# KiCad board A64-OlinuXino_Rev_G1.kicad_pcb (continued)
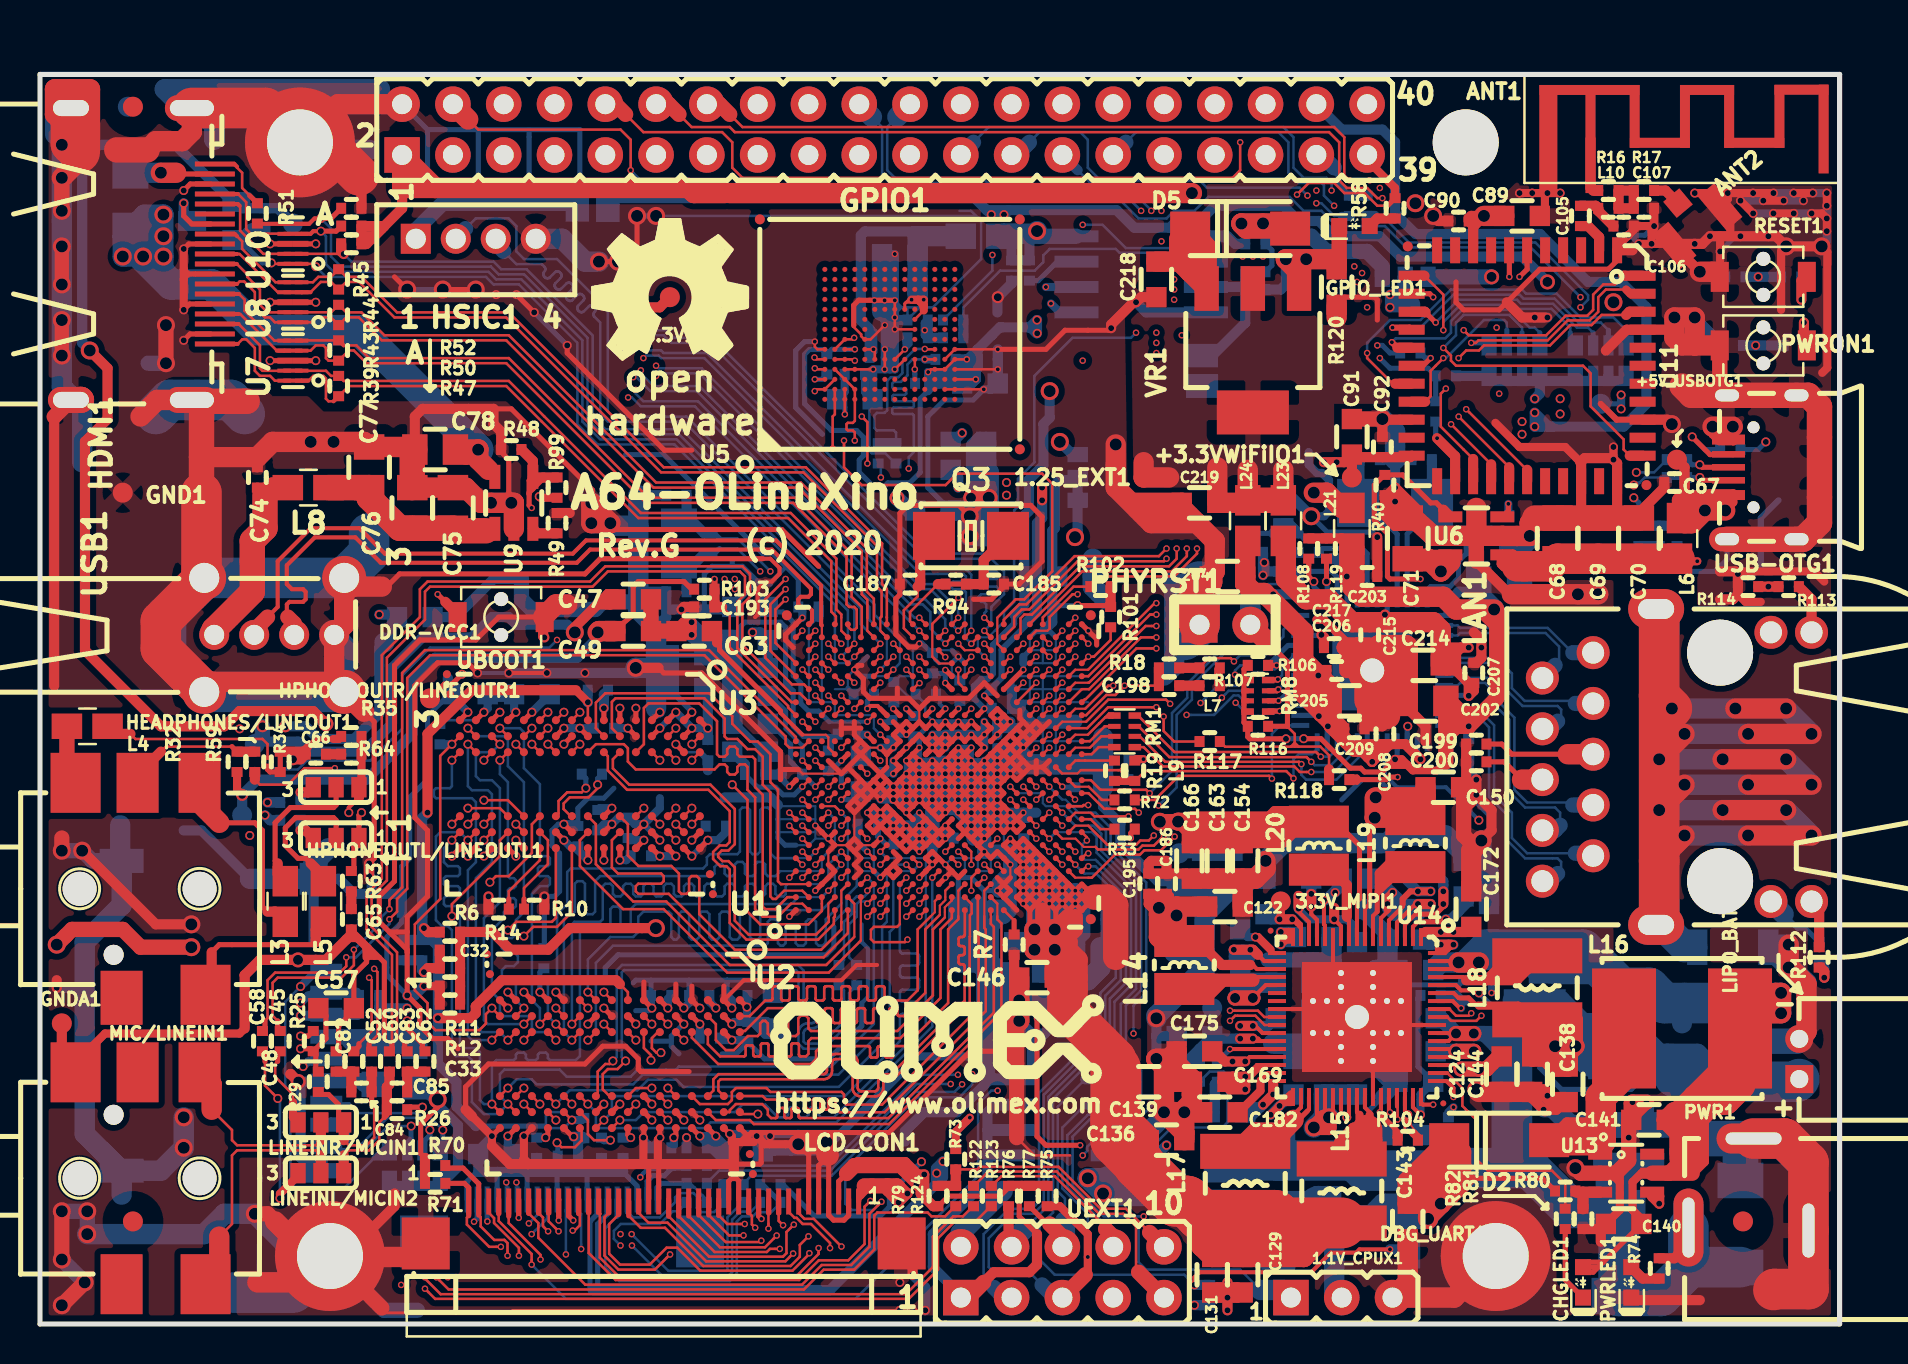
[diagram p0: board, top side]
## Placement (name value [footprint] x y rotation side) (continued)
R71  2.2k  [R_0402_5MIL_DWS]  19.76 7.04 180 top
R72  22R  [R_0402_5MIL_DWS]  54.24 26.21 0 top
R73  NA(22R)  [R_0402_5MIL_DWS]  45.8 8.24 270 top
R74  2.2k  [R_0402_5MIL_DWS]  80.97 2.78 270 top
R75  2.2k  [R_0402_5MIL_DWS]  50.37 6.4 270 top
R76  10k  [R_0402_5MIL_DWS]  48.44 6.4 270 top
R77  2.2k  [R_0402_5MIL_DWS]  49.48 6.4 270 top
R78  0.01R\1%/1206  [R_1206_5MIL_DWS]  79.58 13.13 0 bottom
R79  10k  [R_0402_5MIL_DWS]  44.91 6.4 90 top
R80  8.25k\1%  [R_0402_5MIL_DWS]  76.28 6.66 0 top
R81  1.1k\1%  [R_0402_5MIL_DWS]  77.16 5.26 270 top
R82  2.2k  [R_0402_5MIL_DWS]  76.28 5.26 270 top
R83  10k  [R_0402_5MIL_DWS]  58.88 12.62 270 bottom
R84  NA  [R_0402_5MIL_DWS]  71.2 16.69 270 bottom
R85  10k  [R_0402_5MIL_DWS]  70.43 9.83 270 bottom
R86  0R(Board_Mounted)  [R_0402_5MIL_0R(Board_Mounted)]  81.86 43.23 0 bottom
R87  0R(Board_Mounted)  [R_0402_5MIL_0R(Board_Mounted)]  81.86 42.34 0 bottom
R88  2.2k  [R_0402_5MIL_DWS]  57.99 12.62 90 bottom
R89  1k  [R_0402_5MIL_DWS]  87.58 52.38 180 bottom
R90  2.2k  [R_0402_5MIL_DWS]  57.1 12.62 90 bottom
R91  1k  [R_0402_5MIL_DWS]  87.71 48.95 180 bottom
R92  1k  [R_0402_5MIL_DWS]  69.54 16.43 180 bottom
R93  10M  [R_0402_5MIL_DWS]  33.6 39.04 270 bottom
R94  0R(Board_Mounted)  [R_0402_5MIL_0R(Board_Mounted)]  45.8 37.01 0 top
R95  10k  [R_0402_5MIL_DWS]  58.5 1.45 270 bottom
R96  NA  [R_0402_5MIL_DWS]  38.43 35.86 180 bottom
R97  NA  [R_0402_5MIL_DWS]  51.76 27.36 90 bottom
R98  NA  [R_0402_5MIL_DWS]  53.92 27.23 180 bottom
R99  10k  [R_0402_5MIL_DWS]  25.86 41.83 90 top
R101  NA(2.2k)  [R_0402_5MIL_DWS]  53.54 35.36 90 top
R102  NA(2.2k)  [R_0402_5MIL_DWS]  53.03 36.88 0 top
R103  100k  [R_0402_5MIL_DWS]  33.22 36.75 0 top
R104  NA(10k)  [R_0402_5MIL_DWS]  68.4 9.19 180 top
R105  22R  [R_0402_5MIL_DWS]  60.91 32.94 0 bottom
R106  10k  [R_0402_5MIL_DWS]  60.91 32.94 0 top
R107  1k  [R_0402_5MIL_DWS]  58.5 32.82 0 top
R108  1k  [R_0402_5MIL_DWS]  63.45 38.79 90 top
R109  22R  [R_0402_5MIL_DWS]  63.45 38.6 0 bottom
R110  1k  [R_0402_5MIL_DWS]  65.23 38.28 0 bottom
R111  1k  [R_0402_5MIL_DWS]  88.98 18.59 270 bottom
R112  1k  [R_0402_5MIL_DWS]  88.98 18.34 270 top
R113  1k  [R_0402_5MIL_DWS]  87.45 36.88 180 top
R114  1k  [R_0402_5MIL_DWS]  85.42 36.88 0 top
R115  12.1k\1%  [R_0603_5MIL_DWS]  72.59 38.91 0 bottom
R116  100k  [R_0402_5MIL_DWS]  60.91 29.9 180 top
R117  1k  [R_0402_5MIL_DWS]  58.5 29.13 180 top
R118  NA  [R_0402_5MIL_DWS]  64.97 27.23 0 top
R119  10k  [R_0402_5MIL_DWS]  64.34 38.79 90 top
R120  120R  [R_0603_5MIL_DWS]  64.85 51.87 90 top
R121  22R  [R_0402_5MIL_DWS]  45.67 50.22 0 bottom
R122  22R  [R_0402_5MIL_DWS]  46.69 6.4 270 top
R123  22R  [R_0402_5MIL_DWS]  47.57 6.4 90 top
R124  22R  [R_0402_5MIL_DWS]  45.8 6.4 90 top
R125  22R  [R_0402_5MIL_DWS]  34.68 6.08 0 bottom
R126  22R  [R_0402_5MIL_DWS]  31.06 7.92 180 bottom
R127  NA  [R_0402_5MIL_DWS]  34.68 6.97 0 bottom
R128  NA  [R_0402_5MIL_DWS]  32.84 7.92 0 bottom
R129  22R  [R_0402_5MIL_DWS]  36.53 6.08 0 bottom
R130  22R  [R_0402_5MIL_DWS]  32.84 6.08 0 bottom
R131  NA  [R_0402_5MIL_DWS]  36.53 6.97 180 bottom
R132  NA  [R_0402_5MIL_DWS]  32.84 7.04 180 bottom
RESET1  IT-1185AU2-160G-G-TR  [IT1185AU2_V2]  86.18 52.38 180 top
RM1  RA0805_(4X0402)_22R  [RA0805_(4X0402)_xx_BIGGEROUTPADS]  54.24 29.64 90 top
RM7  RA1206_(4x0603)_4B8_100k  [RA1206_(4X0603)_4B8_xx]  18.75 7.92 180 bottom
RM8  RA0805_(4X0402)_4.7k  [RA0805_(4X0402)_xx_BIGGEROUTPADS]  60.91 31.42 270 top
RM9  NA(RA1206_(4x0603)_4B8_100k)  [RA1206_(4X0603)_4B8_xx]  78.05 48.18 180 bottom
RM12  NA(RA1206_(4x0603)_4B8_100k)  [RA1206_(4X0603)_4B8_xx]  73.74 48.18 180 bottom
RM15  RA0805_(4X0402)_22R  [RA0805_(4X0402)_xx_BIGGEROUTPADS]  60.91 31.42 270 bottom
Sign-Antistatic  -  [LOGO_ANTISTATIC_1]  58.37 30.53 180 bottom
Sign-PbFree  -  [LOGO_PBFREE]  3.89 34.47 0 bottom
Sign-RecycleBin  -  [LOGO_RECYCLEBIN_1]  6.75 38.66 180 bottom
Sign-RoHS  -  [LOGO_ROHS_1]  24.75 39.75 180 bottom
T1  WPM1481-6\TR(DFN2X2-6L)  [DFN2x2-6L]  74.75 16.56 90 bottom
U1  AllWinner-A64(FBGA396)  [FBGA396]  44.95 27.85 0 top
U2  K4B4G1646Q-HYK0(FBGA-96_256Mx16_DDR3-1600_11-11-11)  [FBGA96(HYNIX_SAMSUNG_512MX16_DDR3)]  29 13 180 top
U3  K4B4G1646Q-HYK0(FBGA-96_256Mx16_DDR3-1600_11-11-11)  [FBGA96(HYNIX_SAMSUNG_512MX16_DDR3)]  27 27 180 top
U4  AT24C16C-SSHM-T(SOIC-8_150mil)  [SOIC-8_150mil]  51.15 10.34 90 bottom
U5  NA(KLMAG2GEND-B031(FBGA153))  [FBGA153_Pitch-0.5mm_Ball-0.25mm_Dimensions-11.50x13.00x0.80mm]  42.5 49.5 0 top
U6  SY6280AAC(SOT23-5)  [SOT-23-5]  71.83 39.42 0 top
U7  NA(RCLAMP0524P(SLP2510P8))  [SLP2510P8_TEST]  12.65 48.18 90 top
U8  NA(RCLAMP0524P(SLP2510P8))  [SLP2510P8_TEST]  12.65 51.1 90 top
U9  SY6280AAC(SOT23-5)  [SOT-23-5]  23.7 41.07 270 top
U10  NA(RCLAMP0524P(SLP2510P8))  [SLP2510P8_TEST]  12.65 54.03 90 top
U11  NA(RTL8723BS(ComboModule))  [RL-SM02BD(RTL8723BS)]  74.37 47.93 270 top
U12  NA(W25Q128FVSIG)  [SO-8_208mil]  55.07 52.5 270 bottom
U13  MT3608(SOT23-6)  [SOT23-6]  79.32 7.54 180 top
U14  AXP803(QFN68_8x8mm)  [QFN68]  65.86 15.35 180 top
U15  KSZ9031RNXCC(QFN48_1DRILL(PADPITCH-0.5MM))  [QFN48_1DRILL(PADPITCH-0.5MM)]  66.62 32.69 270 bottom
UBOOT1  IT-1185AU2-160G-G-TR  [IT1185AU2_V2]  23.06 35.36 0 top
UEXT1  -  [HN2x5]  51.13 2.59 0 top
USB1  USB_A_VERTICAL  [USB_A_VERTICAL_PTH]  8.71 34.47 270 top
USB-OTG1  MICRO_USB\MISB-SWMM-5B_LF  [USB-MICRO_MISB-SWMM-5B_LF]  87.59 42.85 0 top
VCC-PC1  TESTPAD  [TP_SMD]  68.53 50.98 0 bottom
VCC-PL1  TESTPAD  [TP_SMD]  58.62 15.8 0 bottom
VR1  AMS1117(ADJ)  [SOT223]  60.66 48.69 90 top
WP_Enable1  Opened  [SJ]  58.12 47.68 90 bottom

## Footprints (pads in the part's own frame, mm; a bottom-side part is the same pattern mirrored in y, then rotated)
B4B-PH-K-S
  rect 1.5x1.5 hole 1: 1(3,0)
  round 1.5 hole 1: 2(1,0) 3(-1,0) 4(-3,0)
BT_Antenna_Inverted_1ANT_2GND
  rect 5x0.5 smd: 0(2.489,4.648)
  rect 0.5x3.14 smd: 0(4.75,3.327) 0(7.264,3.327) 0(9.474,3.327) 0(11.989,3.327)
  rect 3x0.5 smd: 0(6.007,2.007) 0(10.732,2.007)
  rect 2.7x0.5 smd: 0(8.369,4.648) 0(13.094,4.661)
  rect 0.5x4.44 smd: 0(14.199,2.692)
  rect 0.5x5.4 smd: 1(2.54,2.192)
  rect 0.9x5.4 smd: 2(0.432,2.192)
C_0402_5MIL_DWS
  rect 0.5x0.55 smd: 1(-0.508,0) 2(0.508,0)
C_0603_5MIL_DWS
  rect 1.016x1.016 smd: 1(-0.889,0) 2(0.889,0)
C_0805_5MIL_DWS
  rect 1.27x1.524 smd: 1(-1.016,0) 2(1.016,0)
C_1206_5MIL_DWS_ISO
  rect 1.016x1.778 smd: 1(-1.778,0) 2(1.778,0)
CD32
  rect 1.6x3 smd: 1(-1.2,0) 2(1.2,0)
CD42(43)
  rect 1.75x4.5 smd: 1(-1.6,0) 2(1.6,0)
CM7V-T1A(Crystal_Package-1206_3.20x1.50x0.65mm)
  rect 1x1.8 smd: 1(-1.25,0) 2(1.25,0)
DFN2x2-6L
  rect 0.35x0.9 smd: 1(-0.65,-1.1) 2(0,-1.1) 3(0.65,-1.1) 4(0.65,1.1) 5(0,1.1) 6(-0.65,1.1)
  rect 0.95x0.8 smd: 7(-0.35,0)
  rect 0.35x0.6 smd: 8(0.65,0)
DO214AA_1(K)-2(A)
  rect 1.778x2.286 smd: 1(-2.177,0) 2(2.177,0)
FBGA96(HYNIX_SAMSUNG_512MX16_DDR3)
  rect 0.42x0.42 smd: (-6,3.2) (-6,2.4) (-6,1.6) (-6,-1.6) (-6,-2.4) (-6,-3.2) (-5.2,3.2) (-5.2,2.4) (-5.2,1.6) (-5.2,-1.6) (-5.2,-2.4) (-5.2,-3.2) (-4.4,3.2) (-4.4,2.4) (-4.4,1.6) (-4.4,-1.6) (-4.4,-2.4) (-4.4,-3.2) (-3.6,3.2) (-3.6,2.4) (-3.6,1.6) (-3.6,-1.6) (-3.6,-2.4) (-3.6,-3.2) (-2.8,3.2) (-2.8,2.4) (-2.8,1.6) (-2.8,-1.6) (-2.8,-2.4) (-2.8,-3.2) (-2,3.2) (-2,2.4) (-2,1.6) (-2,-1.6) (-2,-2.4) (-2,-3.2) (-1.2,3.2) (-1.2,2.4) (-1.2,1.6) (-1.2,-1.6) (-1.2,-2.4) (-1.2,-3.2) (-0.4,3.2) (-0.4,2.4) (-0.4,1.6) (-0.4,-1.6) (-0.4,-2.4) (-0.4,-3.2) (0.4,3.2) (0.4,2.4) (0.4,1.6) (0.4,-1.6) (0.4,-2.4) (0.4,-3.2) (1.2,3.2) (1.2,2.4) (1.2,1.6) (1.2,-1.6) (1.2,-2.4) (1.2,-3.2) (2,3.2) (2,2.4) (2,1.6) (2,-1.6) (2,-2.4) (2,-3.2) (2.8,3.2) (2.8,2.4) (2.8,1.6) (2.8,-1.6) (2.8,-2.4) (2.8,-3.2) (3.6,3.2) (3.6,2.4) (3.6,1.6) (3.6,-1.6) (3.6,-2.4) (3.6,-3.2) (4.4,3.2) (4.4,2.4) (4.4,1.6) (4.4,-1.6) (4.4,-2.4) (4.4,-3.2) (5.2,3.2) (5.2,2.4) (5.2,1.6) (5.2,-1.6) (5.2,-2.4) (5.2,-3.2) (6,3.2) (6,2.4) (6,1.6) (6,-1.6) (6,-2.4) (6,-3.2)
  round 0.4 smd: A1(-6,-3.2) A2(-6,-2.4) A3(-6,-1.6) A7(-6,1.6) A8(-6,2.4) A9(-6,3.2) B1(-5.2,-3.2) B2(-5.2,-2.4) B3(-5.2,-1.6) B7(-5.2,1.6) B8(-5.2,2.4) B9(-5.2,3.2) C1(-4.4,-3.2) C2(-4.4,-2.4) C3(-4.4,-1.6) C7(-4.4,1.6) C8(-4.4,2.4) C9(-4.4,3.2) D1(-3.6,-3.2) D2(-3.6,-2.4) D3(-3.6,-1.6) D7(-3.6,1.6) D8(-3.6,2.4) D9(-3.6,3.2) E1(-2.8,-3.2) E2(-2.8,-2.4) E3(-2.8,-1.6) E7(-2.8,1.6) E8(-2.8,2.4) E9(-2.8,3.2) F1(-2,-3.2) F2(-2,-2.4) F3(-2,-1.6) F7(-2,1.6) F8(-2,2.4) F9(-2,3.2) FID1(6.5,-4.5) FID2(-6.5,4.5) FID3(6.65,-5.5) FID4(-6.65,5.5) G1(-1.2,-3.2) G2(-1.2,-2.4) G3(-1.2,-1.6) G7(-1.2,1.6) G8(-1.2,2.4) G9(-1.2,3.2) H1(-0.4,-3.2) H2(-0.4,-2.4) H3(-0.4,-1.6) H7(-0.4,1.6) H8(-0.4,2.4) H9(-0.4,3.2) J1(0.4,-3.2) J2(0.4,-2.4) J3(0.4,-1.6) J7(0.4,1.6) J8(0.4,2.4) J9(0.4,3.2) K1(1.2,-3.2) K2(1.2,-2.4) K3(1.2,-1.6) K7(1.2,1.6) K8(1.2,2.4) K9(1.2,3.2) L1(2,-3.2) L2(2,-2.4) L3(2,-1.6) L7(2,1.6) L8(2,2.4) L9(2,3.2) M1(2.8,-3.2) M2(2.8,-2.4) M3(2.8,-1.6) M7(2.8,1.6) M8(2.8,2.4) M9(2.8,3.2) N1(3.6,-3.2) N2(3.6,-2.4) N3(3.6,-1.6) N7(3.6,1.6) N8(3.6,2.4) N9(3.6,3.2) P1(4.4,-3.2) P2(4.4,-2.4) P3(4.4,-1.6) P7(4.4,1.6) P8(4.4,2.4) P9(4.4,3.2) R1(5.2,-3.2) R2(5.2,-2.4) R3(5.2,-1.6) R7(5.2,1.6) R8(5.2,2.4) R9(5.2,3.2) T1(6,-3.2) T2(6,-2.4) T3(6,-1.6) T7(6,1.6) T8(6,2.4) T9(6,3.2)
FBGA153_Pitch-0.5mm_Ball-0.25mm_Dimensions-11.50x13.00x0.80mm
  rect 0.3x0.3 smd: (-3.25,3.25) (-3.25,2.75) (-3.25,2.25) (-3.25,1.75) (-3.25,1.25) (-3.25,0.75) (-3.25,0.25) (-3.25,-0.25) (-3.25,-0.75) (-3.25,-1.25) (-3.25,-1.75) (-3.25,-2.25) (-3.25,-2.75) (-3.25,-3.25) (-2.75,3.25) (-2.75,2.75) (-2.75,2.25) (-2.75,1.75) (-2.75,1.25) (-2.75,0.75) (-2.75,0.25) (-2.75,-0.25) (-2.75,-0.75) (-2.75,-1.25) (-2.75,-1.75) (-2.75,-2.25) (-2.75,-2.75) (-2.75,-3.25) (-2.25,3.25) (-2.25,2.75) (-2.25,2.25) (-2.25,1.75) (-2.25,1.25) (-2.25,0.75) (-2.25,0.25) (-2.25,-0.25) (-2.25,-0.75) (-2.25,-1.25) (-2.25,-1.75) (-2.25,-2.25) (-2.25,-2.75) (-2.25,-3.25) (-1.75,3.25) (-1.75,2.75) (-1.75,2.25) (-1.75,-1.75) (-1.75,-2.25) (-1.75,-2.75) (-1.75,-3.25) (-1.25,3.25) (-1.25,2.75) (-1.25,2.25) (-1.25,1.25) (-1.25,0.75) (-1.25,0.25) (-1.25,-0.25) (-1.25,-0.75) (-1.25,-1.25) (-1.25,-2.25) (-1.25,-2.75) (-1.25,-3.25) (-0.75,3.25) (-0.75,2.75) (-0.75,2.25) (-0.75,1.25) (-0.75,-1.25) (-0.75,-2.25) (-0.75,-2.75) (-0.75,-3.25) (-0.25,3.25) (-0.25,2.75) (-0.25,2.25) (-0.25,1.25) (-0.25,-1.25) (-0.25,-2.25) (-0.25,-2.75) (-0.25,-3.25) (0.25,3.25) (0.25,2.75) (0.25,2.25) (0.25,1.25) (0.25,-1.25) (0.25,-2.25) (0.25,-2.75) (0.25,-3.25) (0.75,3.25) (0.75,2.75) (0.75,2.25) (0.75,1.25) (0.75,-1.25) (0.75,-2.25) (0.75,-2.75) (0.75,-3.25) (1.25,3.25) (1.25,2.75) (1.25,2.25) (1.25,1.25) (1.25,0.75) (1.25,0.25) (1.25,-0.25) (1.25,-0.75) (1.25,-1.25) (1.25,-2.25) (1.25,-2.75) (1.25,-3.25) (1.75,3.25) (1.75,2.75) (1.75,2.25) (1.75,-2.25) (1.75,-2.75) (1.75,-3.25) (2.25,3.25) (2.25,2.75) (2.25,2.25) (2.25,1.75) (2.25,1.25) (2.25,0.75) (2.25,0.25) (2.25,-0.25) (2.25,-0.75) (2.25,-1.25) (2.25,-1.75) (2.25,-2.25) (2.25,-2.75) (2.25,-3.25) (2.75,3.25) (2.75,2.75) (2.75,2.25) (2.75,1.75) (2.75,1.25) (2.75,0.75) (2.75,0.25) (2.75,-0.25) (2.75,-0.75) (2.75,-1.25) (2.75,-1.75) (2.75,-2.25) (2.75,-2.75) (2.75,-3.25) (3.25,3.25) (3.25,2.75) (3.25,2.25) (3.25,1.75) (3.25,1.25) (3.25,0.75) (3.25,0.25) (3.25,-0.25) (3.25,-0.75) (3.25,-1.25) (3.25,-1.75) (3.25,-2.25) (3.25,-2.75) (3.25,-3.25)
  round 0.25 smd: A1(-3.25,-3.25) A2(-3.25,-2.75) A3(-3.25,-2.25) A4(-3.25,-1.75) A5(-3.25,-1.25) A6(-3.25,-0.75) A7(-3.25,-0.25) A8(-3.25,0.25) A9(-3.25,0.75) A10(-3.25,1.25) A11(-3.25,1.75) A12(-3.25,2.25) A13(-3.25,2.75) A14(-3.25,3.25) B1(-2.75,-3.25) B2(-2.75,-2.75) B3(-2.75,-2.25) B4(-2.75,-1.75) B5(-2.75,-1.25) B6(-2.75,-0.75) B7(-2.75,-0.25) B8(-2.75,0.25) B9(-2.75,0.75) B10(-2.75,1.25) B11(-2.75,1.75) B12(-2.75,2.25) B13(-2.75,2.75) B14(-2.75,3.25) C1(-2.25,-3.25) C2(-2.25,-2.75) C3(-2.25,-2.25) C4(-2.25,-1.75) C5(-2.25,-1.25) C6(-2.25,-0.75) C7(-2.25,-0.25) C8(-2.25,0.25) C9(-2.25,0.75) C10(-2.25,1.25) C11(-2.25,1.75) C12(-2.25,2.25) C13(-2.25,2.75) C14(-2.25,3.25) D1(-1.75,-3.25) D2(-1.75,-2.75) D3(-1.75,-2.25) D4(-1.75,-1.75) D12(-1.75,2.25) D13(-1.75,2.75) D14(-1.75,3.25) E1(-1.25,-3.25) E2(-1.25,-2.75) E3(-1.25,-2.25) E5(-1.25,-1.25) E6(-1.25,-0.75) E7(-1.25,-0.25) E8(-1.25,0.25) E9(-1.25,0.75) E10(-1.25,1.25) E12(-1.25,2.25) E13(-1.25,2.75) E14(-1.25,3.25) F1(-0.75,-3.25) F2(-0.75,-2.75) F3(-0.75,-2.25) F5(-0.75,-1.25) F10(-0.75,1.25) F12(-0.75,2.25) F13(-0.75,2.75) F14(-0.75,3.25) G1(-0.25,-3.25) G2(-0.25,-2.75) G3(-0.25,-2.25) G5(-0.25,-1.25) G10(-0.25,1.25) G12(-0.25,2.25) G13(-0.25,2.75) G14(-0.25,3.25) H1(0.25,-3.25) H2(0.25,-2.75) H3(0.25,-2.25) H5(0.25,-1.25) H10(0.25,1.25) H12(0.25,2.25) H13(0.25,2.75) H14(0.25,3.25) J1(0.75,-3.25) J2(0.75,-2.75) J3(0.75,-2.25) J5(0.75,-1.25) J10(0.75,1.25) J12(0.75,2.25) J13(0.75,2.75) J14(0.75,3.25) K1(1.25,-3.25) K2(1.25,-2.75) K3(1.25,-2.25) K5(1.25,-1.25) K6(1.25,-0.75) K7(1.25,-0.25) K8(1.25,0.25) K9(1.25,0.75) K10(1.25,1.25) K12(1.25,2.25) K13(1.25,2.75) K14(1.25,3.25) L1(1.75,-3.25) L2(1.75,-2.75) L3(1.75,-2.25) L12(1.75,2.25) L13(1.75,2.75) L14(1.75,3.25) M1(2.25,-3.25) M2(2.25,-2.75) M3(2.25,-2.25) M4(2.25,-1.75) M5(2.25,-1.25) M6(2.25,-0.75) M7(2.25,-0.25) M8(2.25,0.25) M9(2.25,0.75) M10(2.25,1.25) M11(2.25,1.75) M12(2.25,2.25) M13(2.25,2.75) M14(2.25,3.25) N1(2.75,-3.25) N2(2.75,-2.75) N3(2.75,-2.25) N4(2.75,-1.75) N5(2.75,-1.25) N6(2.75,-0.75) N7(2.75,-0.25) N8(2.75,0.25) N9(2.75,0.75) N10(2.75,1.25) N11(2.75,1.75) N12(2.75,2.25) N13(2.75,2.75) N14(2.75,3.25) P1(3.25,-3.25) P2(3.25,-2.75) P3(3.25,-2.25) P4(3.25,-1.75) P5(3.25,-1.25) P6(3.25,-0.75) P7(3.25,-0.25) P8(3.25,0.25) P9(3.25,0.75) P10(3.25,1.25) P11(3.25,1.75) P12(3.25,2.25) P13(3.25,2.75) P14(3.25,3.25)
  round 0.5 smd: FID1(-6.5,5.75) FID2(6.5,5.75) FID3(6.5,-5.75)
FBGA396
  rect 0.33x0.33 smd: (-7.15,7.15) (-7.15,6.5) (-7.15,5.2) (-7.15,4.55) (-7.15,3.25) (-7.15,2.6) (-7.15,1.3) (-7.15,0.65) (-7.15,-0.65) (-7.15,-2.6) (-7.15,-3.25) (-7.15,-4.55) (-7.15,-5.2) (-7.15,-6.5) (-7.15,-7.15) (-6.5,7.15) (-6.5,6.5) (-6.5,5.85) (-6.5,5.2) (-6.5,4.55) (-6.5,3.9) (-6.5,3.25) (-6.5,2.6) (-6.5,1.95) (-6.5,1.3) (-6.5,0.65) (-6.5,0) (-6.5,-0.65) (-6.5,-1.3) (-6.5,-1.95) (-6.5,-2.6) (-6.5,-3.25) (-6.5,-3.9) (-6.5,-4.55) (-6.5,-5.2) (-6.5,-5.85) (-6.5,-6.5) (-6.5,-7.15) (-5.85,6.5) (-5.85,5.2) (-5.85,4.55) (-5.85,3.9) (-5.85,3.25) (-5.85,2.6) (-5.85,1.3) (-5.85,0.65) (-5.85,0) (-5.85,-0.65) (-5.85,-1.3) (-5.85,-1.95) (-5.85,-2.6) (-5.85,-3.25) (-5.85,-3.9) (-5.85,-4.55) (-5.85,-5.2) (-5.85,-5.85) (-5.85,-6.5) (-5.2,7.15) (-5.2,6.5) (-5.2,5.85) (-5.2,5.2) (-5.2,4.55) (-5.2,3.25) (-5.2,2.6) (-5.2,1.3) (-5.2,0.65) (-5.2,-0.65) (-5.2,-1.3) (-5.2,-2.6) (-5.2,-3.25) (-5.2,-4.55) (-5.2,-5.85) (-5.2,-6.5) (-5.2,-7.15) (-4.55,7.15) (-4.55,6.5) (-4.55,5.85) (-4.55,5.2) (-4.55,4.55) (-4.55,3.25) (-4.55,2.6) (-4.55,1.3) (-4.55,0.65) (-4.55,-0.65) (-4.55,-1.3) (-4.55,-2.6) (-4.55,-3.25) (-4.55,-4.55) (-4.55,-5.2) (-4.55,-5.85) (-4.55,-6.5) (-4.55,-7.15) (-3.9,6.5) (-3.9,5.85) (-3.9,3.25) (-3.9,2.6) (-3.9,0) (-3.9,-3.25) (-3.9,-5.85) (-3.9,-6.5) (-3.25,7.15) (-3.25,6.5) (-3.25,5.85) (-3.25,5.2) (-3.25,4.55) (-3.25,3.9) (-3.25,2.6) (-3.25,1.3) (-3.25,0.65) (-3.25,-0.65) (-3.25,-1.95) (-3.25,-2.6) (-3.25,-3.25) (-3.25,-3.9) (-3.25,-4.55) (-3.25,-5.2) (-3.25,-5.85) (-3.25,-6.5) (-3.25,-7.15) (-2.6,7.15) (-2.6,6.5) (-2.6,5.2) (-2.6,4.55) (-2.6,2.6) (-2.6,1.95) (-2.6,1.3) (-2.6,0.65) (-2.6,-3.9) (-2.6,-4.55) (-2.6,-5.2) (-2.6,-5.85) (-2.6,-6.5) (-2.6,-7.15) (-1.95,5.85) (-1.95,2.6) (-1.95,1.95) (-1.95,1.3) (-1.95,0.65) (-1.95,0) (-1.95,-0.65) (-1.95,-1.3) (-1.95,-1.95) (-1.95,-2.6) (-1.95,-5.85) (-1.95,-6.5) (-1.3,7.15) (-1.3,6.5) (-1.3,5.2) (-1.3,4.55) (-1.3,3.9) (-1.3,2.6) (-1.3,1.3) (-1.3,0.65) (-1.3,0) (-1.3,-0.65) (-1.3,-1.3) (-1.3,-1.95) (-1.3,-2.6) (-1.3,-3.25) (-1.3,-3.9) (-1.3,-4.55) (-1.3,-5.2) (-1.3,-5.85) (-1.3,-6.5) (-1.3,-7.15) (-0.65,7.15) (-0.65,6.5) (-0.65,5.2) (-0.65,4.55) (-0.65,2.6) (-0.65,1.95) (-0.65,1.3) (-0.65,0.65) (-0.65,0) (-0.65,-0.65) (-0.65,-1.3) (-0.65,-1.95) (-0.65,-2.6) (-0.65,-3.25) (-0.65,-3.9) (-0.65,-4.55) (-0.65,-5.2) (-0.65,-5.85) (-0.65,-6.5) (-0.65,-7.15) (0,6.5) (0,5.85) (0,2.6) (0,1.95) (0,1.3) (0,0.65) (0,0) (0,-0.65) (0,-1.3) (0,-1.95) (0,-2.6) (0,-5.2) (0,-5.85) (0,-6.5) (0.65,7.15) (0.65,6.5) (0.65,5.2) (0.65,4.55) (0.65,3.9) (0.65,2.6) (0.65,1.95) (0.65,1.3) (0.65,0.65) (0.65,0) (0.65,-0.65) (0.65,-1.3) (0.65,-1.95) (0.65,-2.6) (0.65,-3.25) (0.65,-3.9) (0.65,-4.55) (0.65,-5.2) (0.65,-5.85) (0.65,-6.5) (0.65,-7.15) (1.3,7.15) (1.3,6.5) (1.3,5.2) (1.3,4.55) (1.3,3.9) (1.3,2.6) (1.3,1.3) (1.3,0.65) (1.3,0) (1.3,-0.65) (1.3,-1.3) (1.3,-1.95) (1.3,-2.6) (1.3,-3.25) (1.3,-3.9) (1.3,-4.55) (1.3,-5.85) (1.3,-6.5) (1.3,-7.15) (1.95,6.5) (1.95,5.85) (1.95,2.6) (1.95,1.95) (1.95,1.3) (1.95,0.65) (1.95,0) (1.95,-0.65) (1.95,-1.3) (1.95,-1.95) (1.95,-2.6) (1.95,-3.25) (1.95,-3.9) (1.95,-4.55) (1.95,-5.2) (1.95,-5.85) (1.95,-6.5) (2.6,7.15) (2.6,6.5) (2.6,5.85) (2.6,5.2) (2.6,4.55) (2.6,3.25) (2.6,1.95) (2.6,1.3) (2.6,0.65) (2.6,0) (2.6,-0.65) (2.6,-1.3) (2.6,-1.95) (2.6,-2.6) (2.6,-3.9) (2.6,-5.2) (2.6,-5.85) (2.6,-6.5) (2.6,-7.15) (3.25,7.15) (3.25,6.5) (3.25,5.85) (3.25,5.2) (3.25,4.55) (3.25,3.9) (3.25,2.6) (3.25,1.95) (3.25,0) (3.25,-0.65) (3.25,-1.95) (3.25,-2.6) (3.25,-3.25) (3.25,-3.9) (3.25,-4.55) (3.25,-5.2) (3.25,-6.5) (3.25,-7.15) (3.9,6.5) (3.9,5.85) (3.9,3.9) (3.9,3.25) (3.9,1.3) (3.9,-1.3) (3.9,-1.95) (3.9,-2.6) (3.9,-3.9) (3.9,-4.55) (3.9,-5.2) (3.9,-5.85) (3.9,-6.5) (4.55,7.15) (4.55,6.5) (4.55,5.85) (4.55,5.2) (4.55,4.55) (4.55,3.25) (4.55,2.6) (4.55,0.65) (4.55,-0.65) (4.55,-1.3) (4.55,-1.95) (4.55,-2.6) (4.55,-3.25) (4.55,-4.55) (4.55,-5.2) (4.55,-5.85) (4.55,-7.15) (5.2,7.15) (5.2,6.5) (5.2,5.85) (5.2,4.55) (5.2,3.25) (5.2,2.6) (5.2,1.3) (5.2,0.65) (5.2,-0.65) (5.2,-1.3) (5.2,-2.6) (5.2,-3.25) (5.2,-3.9) (5.2,-5.2) (5.2,-5.85) (5.2,-6.5) (5.85,6.5) (5.85,5.85) (5.85,5.2) (5.85,4.55) (5.85,3.9) (5.85,3.25) (5.85,2.6) (5.85,1.95) (5.85,1.3) (5.85,0.65) (5.85,0) (5.85,-0.65) (5.85,-1.3) (5.85,-1.95) (5.85,-2.6) (5.85,-3.25) (5.85,-3.9) (5.85,-4.55) (5.85,-5.85) (5.85,-7.15) (6.5,7.15) (6.5,6.5) (6.5,5.85) (6.5,5.2) (6.5,4.55) (6.5,3.9) (6.5,3.25) (6.5,2.6) (6.5,1.95) (6.5,1.3) (6.5,0.65) (6.5,0) (6.5,-0.65) (6.5,-1.3) (6.5,-1.95) (6.5,-2.6) (6.5,-3.25) (6.5,-3.9) (6.5,-4.55) (6.5,-5.2) (6.5,-6.5) (7.15,7.15) (7.15,6.5) (7.15,5.2) (7.15,4.55) (7.15,3.25) (7.15,2.6) (7.15,1.3) (7.15,0.65) (7.15,-0.65) (7.15,-1.3) (7.15,-2.6) (7.15,-3.25) (7.15,-4.55) (7.15,-5.2) (7.15,-6.5) (7.15,-7.15)
  round 0.3 smd: A1(-7.15,-7.15) A2(-7.15,-6.5) A4(-7.15,-5.2) A5(-7.15,-4.55) A7(-7.15,-3.25) A8(-7.15,-2.6) A11(-7.15,-0.65) A13(-7.15,0.65) A14(-7.15,1.3) A16(-7.15,2.6) A17(-7.15,3.25) A19(-7.15,4.55) A20(-7.15,5.2) A22(-7.15,6.5) A23(-7.15,7.15) AA1(5.85,-7.15) AA3(5.85,-5.85) AA5(5.85,-4.55) AA6(5.85,-3.9) AA7(5.85,-3.25) AA8(5.85,-2.6) AA9(5.85,-1.95) AA10(5.85,-1.3) AA11(5.85,-0.65) AA12(5.85,0) AA13(5.85,0.65) AA14(5.85,1.3) AA15(5.85,1.95) AA16(5.85,2.6) AA17(5.85,3.25) AA18(5.85,3.9) AA19(5.85,4.55) AA20(5.85,5.2) AA21(5.85,5.85) AA22(5.85,6.5) AB2(6.5,-6.5) AB4(6.5,-5.2) AB5(6.5,-4.55) AB6(6.5,-3.9) AB7(6.5,-3.25) AB8(6.5,-2.6) AB9(6.5,-1.95) AB10(6.5,-1.3) AB11(6.5,-0.65) AB12(6.5,0) AB13(6.5,0.65) AB14(6.5,1.3) AB15(6.5,1.95) AB16(6.5,2.6) AB17(6.5,3.25) AB18(6.5,3.9) AB19(6.5,4.55) AB20(6.5,5.2) AB21(6.5,5.85) AB22(6.5,6.5) AB23(6.5,7.15) AC1(7.15,-7.15) AC2(7.15,-6.5) AC4(7.15,-5.2) AC5(7.15,-4.55) AC7(7.15,-3.25) AC8(7.15,-2.6) AC10(7.15,-1.3) AC11(7.15,-0.65) AC13(7.15,0.65) AC14(7.15,1.3) AC16(7.15,2.6) AC17(7.15,3.25) AC19(7.15,4.55) AC20(7.15,5.2) AC22(7.15,6.5) AC23(7.15,7.15) B1(-6.5,-7.15) B2(-6.5,-6.5) B3(-6.5,-5.85) B4(-6.5,-5.2) B5(-6.5,-4.55) B6(-6.5,-3.9) B7(-6.5,-3.25) B8(-6.5,-2.6) B9(-6.5,-1.95) B10(-6.5,-1.3) B11(-6.5,-0.65) B12(-6.5,0) B13(-6.5,0.65) B14(-6.5,1.3) B15(-6.5,1.95) B16(-6.5,2.6) B17(-6.5,3.25) B18(-6.5,3.9) B19(-6.5,4.55) B20(-6.5,5.2) B21(-6.5,5.85) B22(-6.5,6.5) B23(-6.5,7.15) C2(-5.85,-6.5) C3(-5.85,-5.85) C4(-5.85,-5.2) C5(-5.85,-4.55) C6(-5.85,-3.9) C7(-5.85,-3.25) C8(-5.85,-2.6) C9(-5.85,-1.95) C10(-5.85,-1.3) C11(-5.85,-0.65) C12(-5.85,0) C13(-5.85,0.65) C14(-5.85,1.3) C16(-5.85,2.6) C17(-5.85,3.25) C18(-5.85,3.9) C19(-5.85,4.55) C20(-5.85,5.2) C22(-5.85,6.5) D1(-5.2,-7.15) D2(-5.2,-6.5) D3(-5.2,-5.85) D5(-5.2,-4.55) D7(-5.2,-3.25) D8(-5.2,-2.6) D10(-5.2,-1.3) D11(-5.2,-0.65) D13(-5.2,0.65) D14(-5.2,1.3) D16(-5.2,2.6) D17(-5.2,3.25) D19(-5.2,4.55) D20(-5.2,5.2) D21(-5.2,5.85) D22(-5.2,6.5) D23(-5.2,7.15) E1(-4.55,-7.15) E2(-4.55,-6.5) E3(-4.55,-5.85) E4(-4.55,-5.2) E5(-4.55,-4.55) E7(-4.55,-3.25) E8(-4.55,-2.6) E10(-4.55,-1.3) E11(-4.55,-0.65) E13(-4.55,0.65) E14(-4.55,1.3) E16(-4.55,2.6) E17(-4.55,3.25) E19(-4.55,4.55) E20(-4.55,5.2) E21(-4.55,5.85) E22(-4.55,6.5) E23(-4.55,7.15) F2(-3.9,-6.5) F3(-3.9,-5.85) F7(-3.9,-3.25) F12(-3.9,0) F16(-3.9,2.6) F17(-3.9,3.25) F21(-3.9,5.85) F22(-3.9,6.5) G1(-3.25,-7.15) G2(-3.25,-6.5) G3(-3.25,-5.85) G4(-3.25,-5.2) G5(-3.25,-4.55) G6(-3.25,-3.9) G7(-3.25,-3.25) G8(-3.25,-2.6) G9(-3.25,-1.95) G11(-3.25,-0.65) G13(-3.25,0.65) G14(-3.25,1.3) G16(-3.25,2.6) G18(-3.25,3.9) G19(-3.25,4.55) G20(-3.25,5.2) G21(-3.25,5.85) G22(-3.25,6.5) G23(-3.25,7.15) H1(-2.6,-7.15) H2(-2.6,-6.5) H3(-2.6,-5.85) H4(-2.6,-5.2) H5(-2.6,-4.55) H6(-2.6,-3.9) H13(-2.6,0.65) H14(-2.6,1.3) H15(-2.6,1.95) H16(-2.6,2.6) H19(-2.6,4.55) H20(-2.6,5.2) H22(-2.6,6.5) H23(-2.6,7.15) J2(-1.95,-6.5) J3(-1.95,-5.85) J8(-1.95,-2.6) J9(-1.95,-1.95) J10(-1.95,-1.3) J11(-1.95,-0.65) J12(-1.95,0) J13(-1.95,0.65) J14(-1.95,1.3) J15(-1.95,1.95) J16(-1.95,2.6) J21(-1.95,5.85) K1(-1.3,-7.15) K2(-1.3,-6.5) K3(-1.3,-5.85) K4(-1.3,-5.2) K5(-1.3,-4.55) K6(-1.3,-3.9) K7(-1.3,-3.25) K8(-1.3,-2.6) K9(-1.3,-1.95) K10(-1.3,-1.3) K11(-1.3,-0.65) K12(-1.3,0) K13(-1.3,0.65) K14(-1.3,1.3) K16(-1.3,2.6) K18(-1.3,3.9) K19(-1.3,4.55) K20(-1.3,5.2) K22(-1.3,6.5) K23(-1.3,7.15) L1(-0.65,-7.15) L2(-0.65,-6.5) L3(-0.65,-5.85) L4(-0.65,-5.2) L5(-0.65,-4.55) L6(-0.65,-3.9) L7(-0.65,-3.25) L8(-0.65,-2.6) L9(-0.65,-1.95) L10(-0.65,-1.3) L11(-0.65,-0.65) L12(-0.65,0) L13(-0.65,0.65) L14(-0.65,1.3) L15(-0.65,1.95) L16(-0.65,2.6) L19(-0.65,4.55) L20(-0.65,5.2) L22(-0.65,6.5) L23(-0.65,7.15) M2(0,-6.5) M3(0,-5.85) M4(0,-5.2) M8(0,-2.6) M9(0,-1.95) M10(0,-1.3) M11(0,-0.65) M12(0,0) M13(0,0.65) M14(0,1.3) M15(0,1.95) M16(0,2.6) M21(0,5.85) M22(0,6.5) N1(0.65,-7.15) N2(0.65,-6.5) N3(0.65,-5.85) N4(0.65,-5.2) N5(0.65,-4.55) N6(0.65,-3.9) N7(0.65,-3.25) N8(0.65,-2.6) N9(0.65,-1.95) N10(0.65,-1.3) N11(0.65,-0.65) N12(0.65,0) N13(0.65,0.65) N14(0.65,1.3) N15(0.65,1.95) N16(0.65,2.6) N18(0.65,3.9) N19(0.65,4.55) N20(0.65,5.2) N22(0.65,6.5) N23(0.65,7.15) P1(1.3,-7.15) P2(1.3,-6.5) P3(1.3,-5.85) P5(1.3,-4.55) P6(1.3,-3.9) P7(1.3,-3.25) P8(1.3,-2.6) P9(1.3,-1.95) P10(1.3,-1.3) P11(1.3,-0.65) P12(1.3,0) P13(1.3,0.65) P14(1.3,1.3) P16(1.3,2.6) P18(1.3,3.9) P19(1.3,4.55) P20(1.3,5.2) P22(1.3,6.5) P23(1.3,7.15) R2(1.95,-6.5) R3(1.95,-5.85) R4(1.95,-5.2) R5(1.95,-4.55) R6(1.95,-3.9) R7(1.95,-3.25) R8(1.95,-2.6) R9(1.95,-1.95) R10(1.95,-1.3) R11(1.95,-0.65) R12(1.95,0) R13(1.95,0.65) R14(1.95,1.3) R15(1.95,1.95) R16(1.95,2.6) R21(1.95,5.85) R22(1.95,6.5) T1(2.6,-7.15) T2(2.6,-6.5) T3(2.6,-5.85) T4(2.6,-5.2) T6(2.6,-3.9) T8(2.6,-2.6) T9(2.6,-1.95) T10(2.6,-1.3) T11(2.6,-0.65) T12(2.6,0) T13(2.6,0.65) T14(2.6,1.3) T15(2.6,1.95) T17(2.6,3.25) T19(2.6,4.55) T20(2.6,5.2) T21(2.6,5.85) T22(2.6,6.5) T23(2.6,7.15) U1(3.25,-7.15) U2(3.25,-6.5) U4(3.25,-5.2) U5(3.25,-4.55) U6(3.25,-3.9) U7(3.25,-3.25) U8(3.25,-2.6) U9(3.25,-1.95) U11(3.25,-0.65) U12(3.25,0) U15(3.25,1.95) U16(3.25,2.6) U18(3.25,3.9) U19(3.25,4.55) U20(3.25,5.2) U21(3.25,5.85) U22(3.25,6.5) U23(3.25,7.15) V2(3.9,-6.5) V3(3.9,-5.85) V4(3.9,-5.2) V5(3.9,-4.55) V6(3.9,-3.9) V8(3.9,-2.6) V9(3.9,-1.95) V10(3.9,-1.3) V14(3.9,1.3) V17(3.9,3.25) V18(3.9,3.9) V21(3.9,5.85) V22(3.9,6.5) W1(4.55,-7.15) W3(4.55,-5.85) W4(4.55,-5.2) W5(4.55,-4.55) W7(4.55,-3.25) W8(4.55,-2.6) W9(4.55,-1.95) W10(4.55,-1.3) W11(4.55,-0.65) W13(4.55,0.65) W16(4.55,2.6) W17(4.55,3.25) W19(4.55,4.55) W20(4.55,5.2) W21(4.55,5.85) W22(4.55,6.5) W23(4.55,7.15) Y2(5.2,-6.5) Y3(5.2,-5.85) Y4(5.2,-5.2) Y6(5.2,-3.9) Y7(5.2,-3.25) Y8(5.2,-2.6) Y10(5.2,-1.3) Y11(5.2,-0.65) Y13(5.2,0.65) Y14(5.2,1.3) Y16(5.2,2.6) Y17(5.2,3.25) Y19(5.2,4.55) Y21(5.2,5.85) Y22(5.2,6.5) Y23(5.2,7.15)
  round 0.5 smd: fid1(7.6,-7.6) fid2(7.6,7.6) fid3(-7.6,7.6)
Fiducial1x3_transp
  round 1 smd: Fid1(0,0)
FPV-WZA21-20-LF
  rect 2.4x2.6 smd: 0(-6.9,-0.65) 0(6.9,-0.65)
  rect 0.25x1.3 smd: 1(-4.75,-2.75) 2(-4.25,-2.75) 3(-3.75,-2.75) 4(-3.25,-2.75) 5(-2.75,-2.75) 6(-2.25,-2.75) 7(-1.75,-2.75) 8(-1.25,-2.75) 9(-0.75,-2.75) 10(-0.25,-2.75) 11(0.25,-2.75) 12(0.75,-2.75) 13(1.25,-2.75) 14(1.75,-2.75) 15(2.25,-2.75) 16(2.75,-2.75) 17(3.25,-2.75) 18(3.75,-2.75) 19(4.25,-2.75) 20(4.75,-2.75)
FPV-WZA21-40-LF
  rect 2.4x2.6 smd: 0(-11.9,-0.55) 0(11.9,-0.55)
  rect 0.25x1.3 smd: 1(-9.75,-2.65) 2(-9.25,-2.65) 3(-8.75,-2.65) 4(-8.25,-2.65) 5(-7.75,-2.65) 6(-7.25,-2.65) 7(-6.75,-2.65) 8(-6.25,-2.65) 9(-5.75,-2.65) 10(-5.25,-2.65) 11(-4.75,-2.65) 12(-4.25,-2.65) 13(-3.75,-2.65) 14(-3.25,-2.65) 15(-2.75,-2.65) 16(-2.25,-2.65) 17(-1.75,-2.65) 18(-1.25,-2.65) 19(-0.75,-2.65) 20(-0.25,-2.65) 21(0.25,-2.65) 22(0.75,-2.65) 23(1.25,-2.65) 24(1.75,-2.65) 25(2.25,-2.65) 26(2.75,-2.65) 27(3.25,-2.65) 28(3.75,-2.65) 29(4.25,-2.65) 30(4.75,-2.65) 31(5.25,-2.65) 32(5.75,-2.65) 33(6.25,-2.65) 34(6.75,-2.65) 35(7.25,-2.65) 36(7.75,-2.65) 37(8.25,-2.65) 38(8.75,-2.65) 39(9.25,-2.65) 40(9.75,-2.65)
FUSE-1206
  rect 1.6x1.8 smd: 1(-1.4,0) 2(1.4,0)
FUSE-5025
  rect 1.8x2.7 smd: 1(-2.2,0) 2(2.2,0)
HCX-4S_2Pins_5.0x3.2mm_TEST
  rect 2.1x2.4 smd: 1(-1.85,0) 2(1.85,0)
HDMI-SWM-19-TEST
  oval 1.3x2.3 hole 0.8x1.8: 0(-7.3,1.45) 0(7.3,1.45)
  oval 1.3x2.7 hole 0.8x2.2: 0(-7.3,-4.6) 0(7.3,-4.6)
  rect 0.25x2 smd: 1(-4.5,-5.75) 2(-4,-5.75) 3(-3.5,-5.75) 4(-3,-5.75) 5(-2.5,-5.75) 6(-2,-5.75) 7(-1.5,-5.75) 8(-1,-5.75) 9(-0.5,-5.75) 10(0,-5.75) 11(0.5,-5.75) 12(1,-5.75) 13(1.5,-5.75) 14(2,-5.75) 15(2.5,-5.75) 16(3,-5.75) 17(3.5,-5.75) 18(4,-5.75) 19(4.5,-5.75)
HN1x2_Jumper
  rect 1.8x1.8 hole 1: 1(-1.27,0)
  round 1.8 hole 1: 2(1.27,0)
HN1x3
  rect 1.778x1.778 hole 1: 1(-2.54,0)
  round 1.778 hole 1: 2(0,0) 3(2.54,0)
HN2x5
  rect 1.778x1.778 hole 1: 1(-5.08,-1.27)
  round 1.778 hole 1: 2(-5.08,1.27) 3(-2.54,-1.27) 4(-2.54,1.27) 5(0,-1.27) 6(0,1.27) 7(2.54,-1.27) 8(2.54,1.27) 9(5.08,-1.27) 10(5.08,1.27)
HN2x20
  rect 1.778x1.778 hole 1: 1(-24.13,-1.27)
  round 1.778 hole 1: 2(-24.13,1.27) 3(-21.59,-1.27) 4(-21.59,1.27) 5(-19.05,-1.27) 6(-19.05,1.27) 7(-16.51,-1.27) 8(-16.51,1.27) 9(-13.97,-1.27) 10(-13.97,1.27) 11(-11.43,-1.27) 12(-11.43,1.27) 13(-8.89,-1.27) 14(-8.89,1.27) 15(-6.35,-1.27) 16(-6.35,1.27) 17(-3.81,-1.27) 18(-3.81,1.27) 19(-1.27,-1.27) 20(-1.27,1.27) 21(1.27,-1.27) 22(1.27,1.27) 23(3.81,-1.27) 24(3.81,1.27) 25(6.35,-1.27) 26(6.35,1.27) 27(8.89,-1.27) 28(8.89,1.27) 29(11.43,-1.27) 30(11.43,1.27) 31(13.97,-1.27) 32(13.97,1.27) 33(16.51,-1.27) 34(16.51,1.27) 35(19.05,-1.27) 36(19.05,1.27) 37(21.59,-1.27) 38(21.59,1.27) 39(24.13,-1.27) 40(24.13,1.27)
IT1185AU2_V2
  rect 1.327x1.754 smd: (-2.39,0) (2.39,0)
  round 0.7 hole 0.7 unplated: (0,0.9) (0,-0.9)
  rect 0.9x1.5 smd: 1(-2.177,0) 2(2.177,0)
L_0402_5MIL_DWS
  rect 0.5x0.55 smd: 1(-0.508,0) 2(0.508,0)
L_0805_5MIL_DWS
  rect 1.524x1.27 smd: 1(-1.016,0) 2(1.016,0)
LED_0603_KA
  rect 0.8x0.8 smd: 1(-0.762,0) 2(0.762,0)
LIPO_BAT-CON2DW02R
  rect 1.4x1.4 hole 0.9: 1(-1.008,3.152)
  round 1.4 hole 0.9: 2(1.003,3.155)
Mounting_hole_3.3mm
  round 3.3 hole 3.3 unplated: (0,0)
Mounting_hole_3.3mm_with_5.5mm_pad
  round 5.5 hole 3.3: 0(0,0)
PWRJ-2mm(YDJ-1134)
  oval 1.5x3.9 hole 0.6x3: +(-0.196,4.75)
  oval 1.5x3.6 hole 0.6x2.7: -(-6.196,4.9)
  oval 3.7x1.5 hole 2.8x0.6: -(-3.45,0.3)
QFN48_1DRILL(PADPITCH-0.5MM)
  rect 1x1 smd: (-1.295,-1.295) (-1.295,0) (-1.295,1.295) (0,-1.295) (0,1.295) (1.295,-1.295) (1.295,0) (1.295,1.295)
  rect 0.25x0.9 smd: 1(-2.75,-3.6) 2(-2.25,-3.6) 3(-1.75,-3.6) 4(-1.25,-3.6) 5(-0.75,-3.6) 6(-0.25,-3.6) 7(0.25,-3.6) 8(0.75,-3.6) 9(1.25,-3.6) 10(1.75,-3.6) 11(2.25,-3.6) 12(2.75,-3.6) 25(2.75,3.6) 26(2.25,3.6) 27(1.75,3.6) 28(1.25,3.6) 29(0.75,3.6) 30(0.25,3.6) 31(-0.25,3.6) 32(-0.75,3.6) 33(-1.25,3.6) 34(-1.75,3.6) 35(-2.25,3.6) 36(-2.75,3.6)
  rect 0.9x0.25 smd: 13(3.6,-2.75) 14(3.6,-2.25) 15(3.6,-1.75) 16(3.6,-1.25) 17(3.6,-0.75) 18(3.6,-0.25) 19(3.6,0.25) 20(3.6,0.75) 21(3.6,1.25) 22(3.6,1.75) 23(3.6,2.25) 24(3.6,2.75) 37(-3.6,2.75) 38(-3.6,2.25) 39(-3.6,1.75) 40(-3.6,1.25) 41(-3.6,0.75) 42(-3.6,0.25) 43(-3.6,-0.25) 44(-3.6,-0.75) 45(-3.6,-1.25) 46(-3.6,-1.75) 47(-3.6,-2.25) 48(-3.6,-2.75)
  rect 1.422x1.422 hole 1.2: 49(0,0)
  rect 4x4 smd: 49(0,0)
QFN68
  rect 1.6x1.2 smd: (-1.8,0) (1.8,0)
  rect 1.5x1.6 smd: (-1.75,1.8) (-1.75,-1.8) (1.75,1.8) (1.75,-1.8)
  rect 1.2x1.6 smd: (0,1.8)
  rect 1.2x1.7 smd: (0,-1.75)
  rect 0.2x0.9 smd: 1(-3.2,-4) 2(-2.8,-4) 3(-2.4,-4) 4(-2,-4) 5(-1.6,-4) 6(-1.2,-4) 7(-0.8,-4) 8(-0.4,-4) 9(0,-4) 10(0.4,-4) 11(0.8,-4) 12(1.2,-4) 13(1.6,-4) 14(2,-4) 15(2.4,-4) 16(2.8,-4) 17(3.2,-4) 35(3.2,4) 36(2.8,4) 37(2.4,4) 38(2,4) 39(1.6,4) 40(1.2,4) 41(0.8,4) 42(0.4,4) 43(0,4) 44(-0.4,4) 45(-0.8,4) 46(-1.2,4) 47(-1.6,4) 48(-2,4) 49(-2.4,4) 50(-2.8,4) 51(-3.2,4)
  rect 0.9x0.2 smd: 18(4,-3.2) 19(4,-2.8) 20(4,-2.4) 21(4,-2) 22(4,-1.6) 23(4,-1.2) 24(4,-0.8) 25(4,-0.4) 26(4,0) 27(4,0.4) 28(4,0.8) 29(4,1.2) 30(4,1.6) 31(4,2) 32(4,2.4) 33(4,2.8) 34(4,3.2) 52(-4,3.2) 53(-4,2.8) 54(-4,2.4) 55(-4,2) 56(-4,1.6) 57(-4,1.2) 58(-4,0.8) 59(-4,0.4) 60(-4,0) 61(-4,-0.4) 62(-4,-0.8) 63(-4,-1.2) 64(-4,-1.6) 65(-4,-2) 66(-4,-2.4) 67(-4,-2.8) 68(-4,-3.2)
  rect 0.4x0.4 hole 0.3: 69(-2.2,0.8) 69(-2.2,-0.8) 69(-1.5,0.8) 69(-1.5,-0.8) 69(-0.8,2.2) 69(-0.8,1.5) 69(-0.8,0.8) 69(-0.8,-0.8) 69(-0.8,-1.5) 69(-0.8,-2.2) 69(0.8,2.2) 69(0.8,1.5) 69(0.8,0.8) 69(0.8,-0.8) 69(0.8,-1.5) 69(0.8,-2.2) 69(1.5,0.8) 69(1.5,-0.8) 69(2.2,0.8) 69(2.2,-0.8)
  rect 1.422x1.422 hole 1.2: 69(0,0)
  rect 5.5x5.5 smd: 69(0,0)
  round 0.3 smd: Fid1(-4.318,4.318) Fid2(4.318,-4.318)
